# Altium PCB R2C2_Mini.PcbDoc (part 2 of 3)
Units mm, origin at the board's own origin, x right, y up, seen from the top; angles counter-clockwise.
Board outline 100 x 100 mm, 4 copper layers (Top Layer, Mid-Layer 1, Mid-Layer 2, Bottom Layer), stack 1.572 mm thick; 230 components, 186 nets, 773 pads, 549 vias.
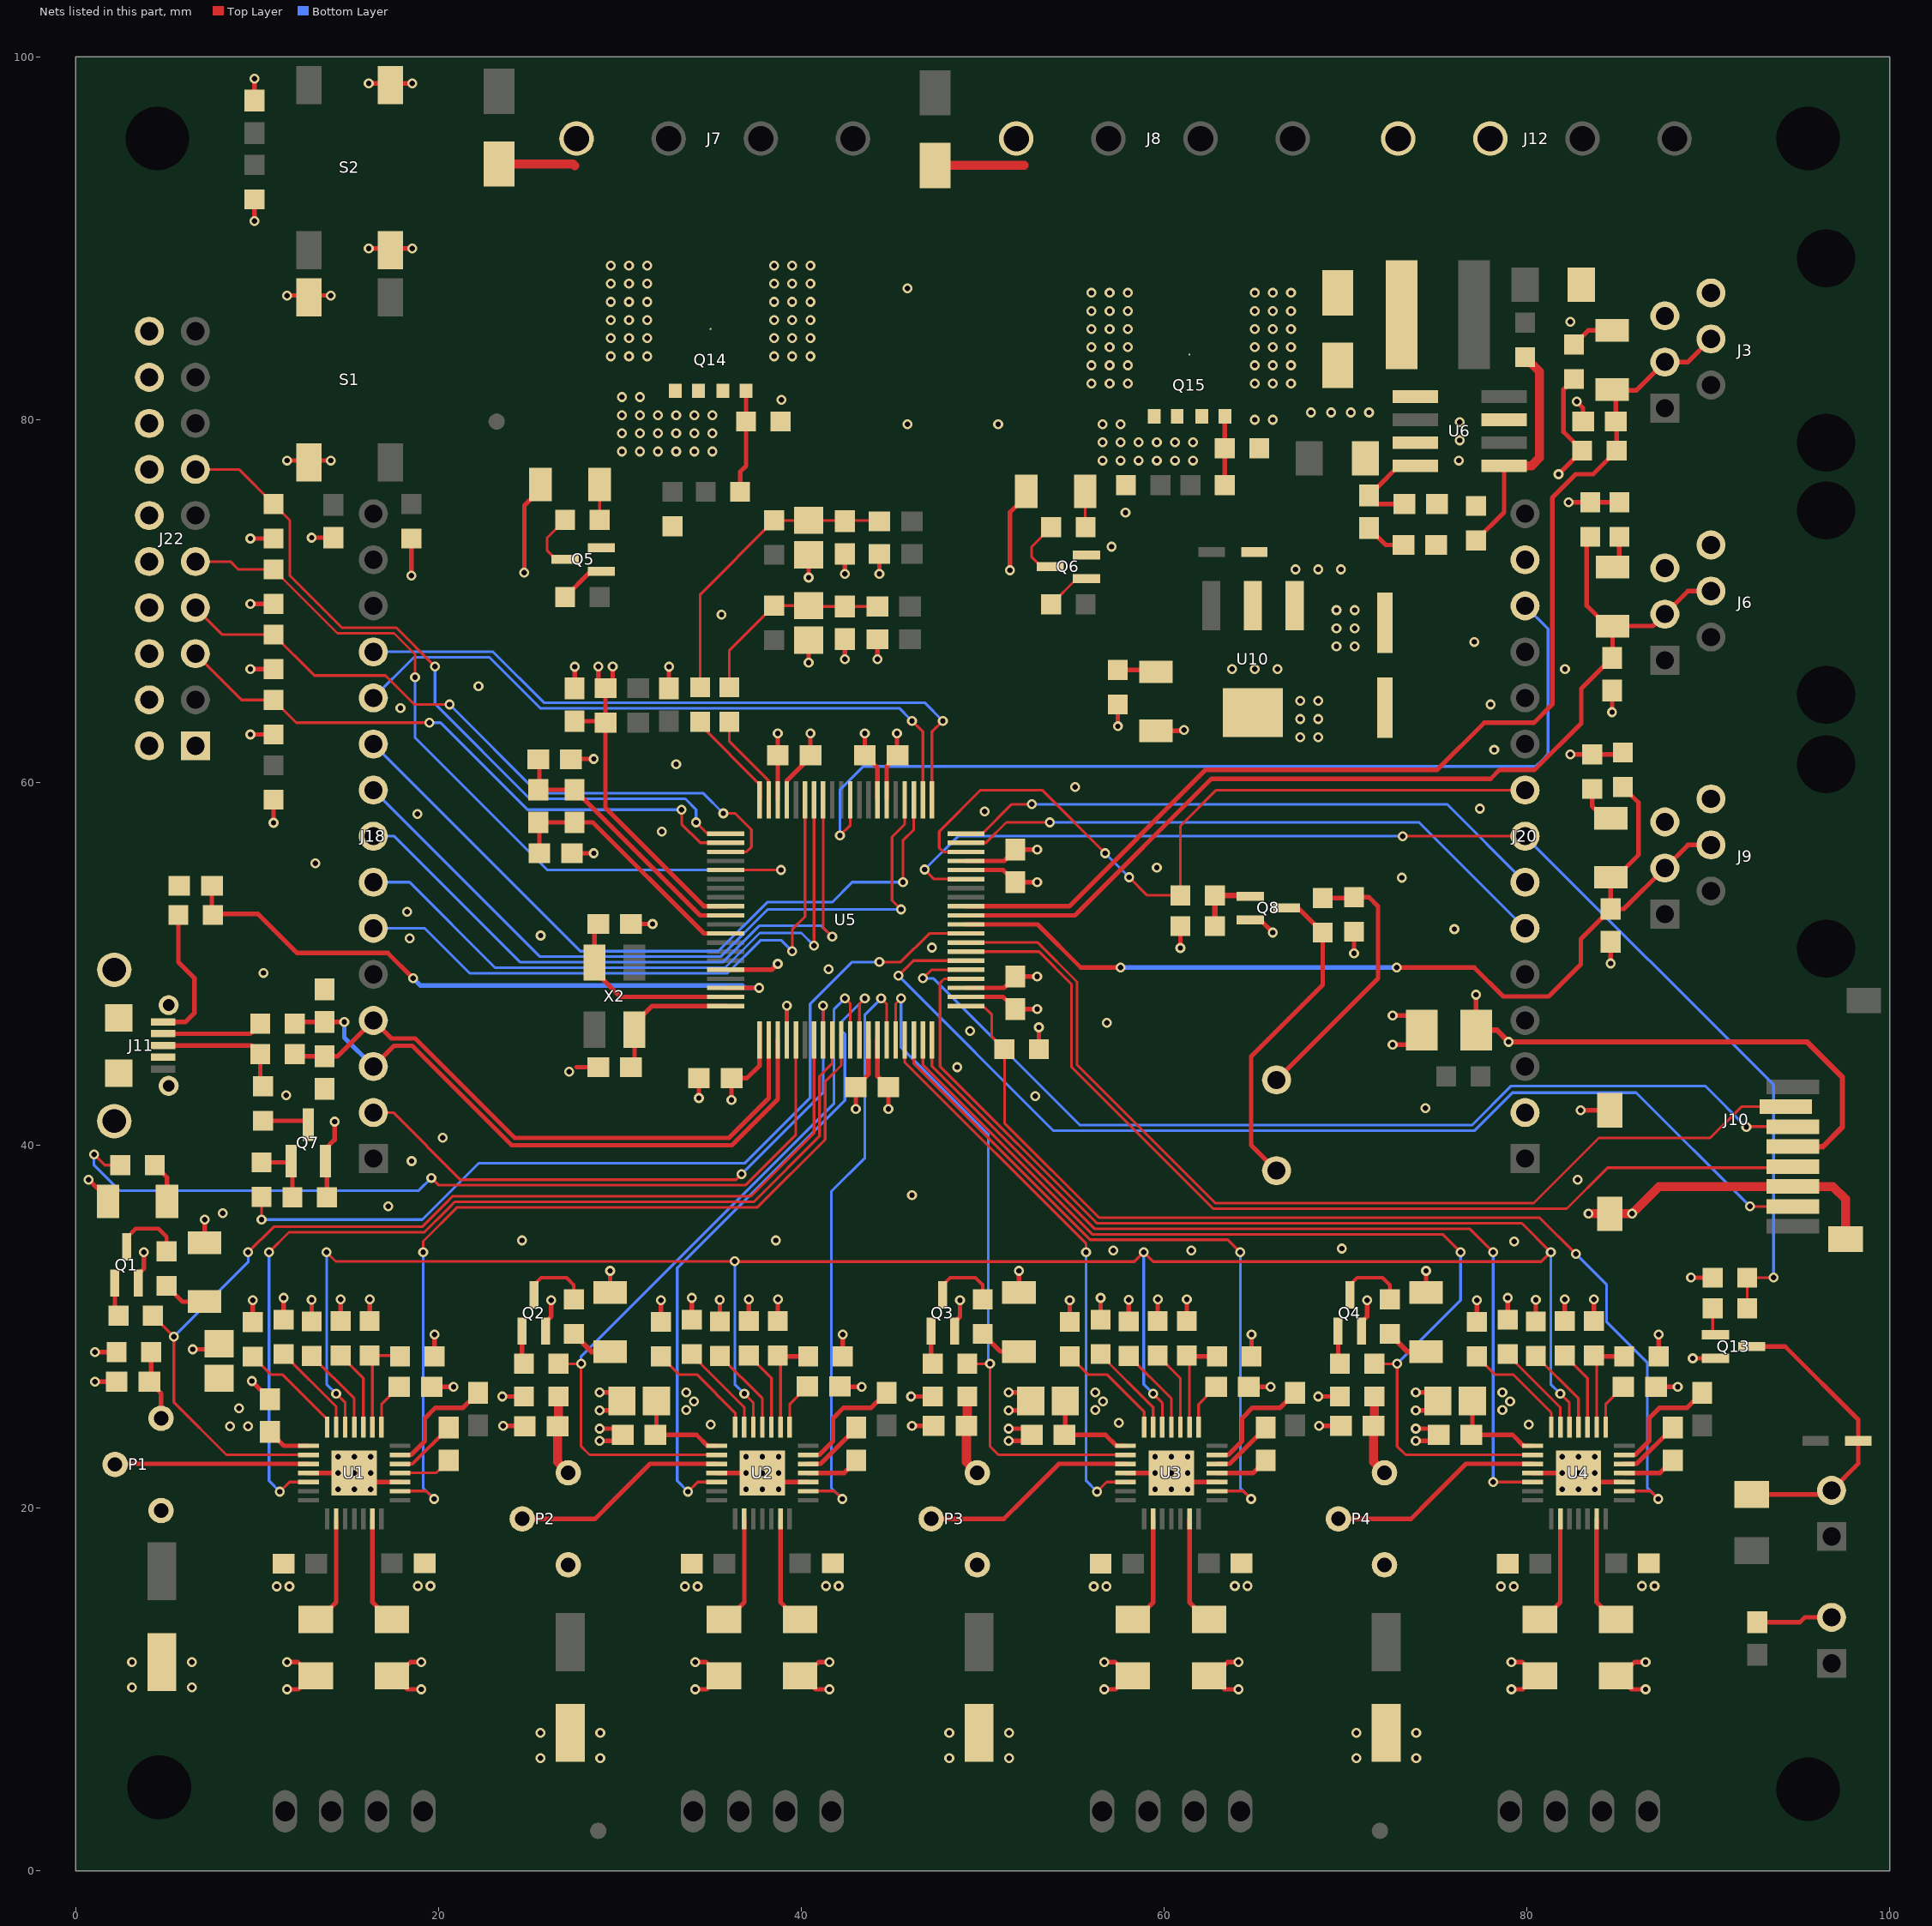
[diagram p4: the nets of this part, all layers, seen from the top]

## Via types
v1: diameter 0.55, hole 0.3, Top Layer to Bottom Layer, tented top, 513 vias
v2: diameter 0.55, hole 0.3, Top Layer to Bottom Layer, 36 vias

## Nets (pads, with @x,y where several pads share a name; then routed paths per layer and width w, separated by ;. In a path a pad name is that pad's centre, name@x,y a point inside that pad or via, vN(x,y) a via of type N, cw(c..) or ccw(c..) an arc to the next point about the centre after c; other vN are vias at no path point) (continued)
EXP_IO5_P1.14: J20.13 U5.70 | length 53.5
  Top Layer w0.15: v1(42.125,57.075) 42.7,57.65 U5.70@42.7,59.05
  Bottom Layer w0.15: v1(42.125,57.075) 42.125,59.594 43.417,60.886 63.4,60.886 ; 63.6,60.886 63.4,60.886 ; J20.13@79.9,69.74 81.17,68.47 81.17,61.57 80.829,61.229 80.486,60.886 63.4,60.886
EXP_IO6_P1.1: J18.6 U5.75 | length 33.8
  Top Layer w0.15: v1(39.5,50.7) 39.5,51.9 40.2,52.6 40.2,56.5 U5.75@40.2,59.05
  Bottom Layer w0.15: J18.6@16.4,51.96 19.24,51.96 21.719,49.481 35.921,49.481 37.735,51.295 38.905,51.295 v1(39.5,50.7)
EXP_IO7_P1.4: J18.7 U5.74 | length 35.4
  Top Layer w0.15: v1(40.7,51) 40.7,56.5 U5.74@40.7,59.05
  Bottom Layer w0.15: J18.7@16.4,54.5 18.4,54.5 23.114,49.786 35.795,49.786 37.709,51.7 40,51.7 v1(40.7,51)
EXP_IO8_P1.8: J18.8 U5.73 | length 37
  Top Layer w0.15: U5.73@41.2,59.05 41.2,57.2 41.2,52 v1(41.7,51.5)
  Bottom Layer w0.15: J18.8@16.4,57.04 17.56,57.04 24.51,50.09 35.668,50.09 37.678,52.1 41.1,52.1 v1(41.7,51.5)
EXP_MISO1_P0.8: J18.11 U5.62 | length 36.7
  Top Layer w0.15: v1@46,63.5 46.7,62.8 46.7,62.1 U5.62@46.7,59.05
  Bottom Layer w0.15: J18.11@16.4,64.66 18.644,66.904 22.796,66.904 25.605,64.095 45.405,64.095 v1@46,63.5
  other v1: 46.1,63.4
EXP_MOSI1_P0.9: J18.12 U5.61 | length 37.6
  Top Layer w0.15: U5.61@47.2,59.05 47.2,60.5 47.2,62.8 v1(47.8,63.4)
  Bottom Layer w0.15: J18.12@16.4,67.2 16.408,67.208 22.992,67.208 25.8,64.4 46.8,64.4 v1(47.8,63.4)
EXP_PWM1_RXD1_P2.5: J20.6 U5.59 | length 33.7
  Top Layer w0.15: U5.59@49.075,56.675 50.175,56.675 51.3,57.8 v1(53.7,57.8)
  Bottom Layer w0.15: v1(53.7,57.8) 74.06,57.8 J20.6@79.9,51.96
EXP_PWM2_TXD1_P2.4: J20.7 U5.60 | length 33.3
  Top Layer w0.15: U5.60@49.075,57.175 49.975,57.175 51.6,58.8 v1(52.7,58.8)
  Bottom Layer w0.15: v1(52.7,58.8) 75.6,58.8 J20.7@79.9,54.5
EXP_PWM3_FAN_P2.3: J20.8 R11.1 R33.2 U5.55 | length 69.5
  Top Layer w0.15: v1(46.8,55.2) 47.325,54.675 U5.55@49.075,54.675 ; v1(73.16,57.04) J20.8@79.9,57.04 ; R11.1@92.15,31 R33.2@92.15,32.7 v1(93.6,32.7)
  Bottom Layer w0.15: v1(46.8,55.2) 48.64,57.04 v1(73.16,57.04) ; J20.8@79.9,57.04 93.6,43.34 v1(93.6,32.7)
EXP_PWM4_BUZZER_P2.2: J20.9 R99.1 U5.58 | length 42.7
  Top Layer w0.15: U5.58@49.075,56.175 47.825,56.175 47.6,56.4 47.6,57.3 49.88,59.58 53.27,59.58 v1(56.75,56.1) ; v1(58.075,54.775) 59.075,53.775 60.775,53.775 R99.1@60.838,53.838 ; R99.1@60.9,53.775 60.9,57.6 62.88,59.58 J20.9@79.9,59.58
  Bottom Layer w0.15: v1(56.75,56.1) v1(58.075,54.775)
EXP_SCK1_P0.7: J18.10 U5.63 | length 40.3
  Top Layer w0.15: v1(45.6,54.5) 45.6,56.8 46.2,57.4 U5.63@46.2,59.05
  Bottom Layer w0.15: J18.10@16.4,62.12 27.82,50.7 35.416,50.7 38.116,53.4 41.7,53.4 42.8,54.5 v1(45.6,54.5)
EXP_SSEL1_P0.6: J18.9 U5.64 | length 40.5
  Top Layer w0.15: v1(45.5,53) 45,53.5 45,57 45.7,57.7 U5.64@45.7,59.05
  Bottom Layer w0.15: J18.9@16.4,59.58 25.585,50.395 35.542,50.395 38.147,53 v1(45.5,53)
GND: C3.1 C4.1 C5.1 C6.1 C15.1 C16.1 C17.1 C18.2 C21.1 C22.1 C23.1 C24.1 C33.1 C34.1 C35.1 C36.1 C42.1 C43.1 C44.1 C45.2 C46.2 C47.2 C48.2 C55.2 C56.2 C57.2 C58.2 C59.1 C60.1 C68.1 C70.1 D13.1 J10.6 J10.9@84.575,36.225 J10.9@84.575,41.925 J10.9@97.575,34.825 J11.4 J11.5@2.114,41.325 J11.5@2.114,49.675 J11.5@2.368,43.976 J11.5@2.368,47.024 J11.5@5.114,43.275 J11.5@5.114,47.725 J20.14 J22.4 J22.6 J22.8 J22.10 J22.12 J22.14 J22.16 J22.18 J22.20 L6.1 L8.1 P1.3 P2.3 P3.3 P4.3 Q1.2 Q2.2 Q3.2 Q4.2 Q5.2 Q6.2 Q8.2 Q13.2 R26.1 R27.1 R28.1 R29.1 R33.1 R55.1 R56.1 R57.1 R58.1 R83.1 R94.1 R100.1 R105.1 S1.1 S1.2 S2.1 S2.2 U5.24 U5.33 U5.43 U5.57 U5.66 U5.78 U10.1 | length 117.6
  Top Layer w0.25: v1(1.05,26.958) C17.1@2.25,26.958 ; Q1.2@3.45,32.4 3.45,32.9 3.746,33.196 v1(3.746,34.1) ; v1(6.45,28.75) C4.1@7.9,28.75 ; v1(9.625,69.85) R83.1@10.9,69.85 ; v1(9.7,27) C3.1@10.7,26 ; C60.1@9.85,97.6 v1(9.85,98.8) ; R26.1@11.45,30.383 v1(11.45,31.583) ; v1(11.65,77.75) v1(14.05,77.75) ; v1(11.65,86.85) v1(14.05,86.85) ; v1(13,73.5) C59.1@14.2,73.5 ; v1(16.15,89.45) v1(18.55,89.45) ; v1(16.15,98.55) v1(18.55,98.55) ; C15.1@19.625,26.683 v1(20.825,26.683) ; R28.1@19.775,28.358 v1(19.775,29.558) ; v1(23.555,24.533) C18.2@24.755,24.533 ; Q2.2@25.904,29.75 25.904,30.25 26.2,30.546 v1(26.2,31.45) ; L6.1@27.355,56.1 v1(28.555,56.1) ; L8.1@27.5,65.18 v1(27.5,66.38) ; 27.6,44.3 C56.2@28.8,44.3 ; v1(28.885,23.7) 29.822,23.7 C5.1@30.155,24.033 29.813,24.375 v1(28.885,24.375) ; v1(28.885,25.375) 29.58,25.375 C6.1@30.105,25.9 29.63,26.375 v1(28.885,26.375) ; C55.2@30.6,52.2 v1(31.8,52.2) ; R27.1@33.955,30.383 v1(33.955,31.583) ; v1@34.35,42.5 C46.2@34.35,43.7 ; U5.78@38.7,59.05 38.7,61.1 C45.2@39,61.4 ; C45.2@38.7,61.5 v1(38.7,62.7) ; U5.24@39.2,45.8 v1(39.2,47.7) ; C16.1@42.13,26.683 v1(43.33,26.683) ; R29.1@42.28,28.358 v1(42.28,29.558) ; v1(43,42) C44.1@43,43.2 43.7,43.9 U5.33@43.7,45.8 ; U5.66@44.7,59.05 44.7,60.9 C48.2@45.3,61.5 ; C48.2@45.275,61.5 v1(45.275,62.7) ; v1(46.1,24.533) C35.1@47.3,24.533 ; Q3.2@48.449,29.75 48.449,30.25 48.745,30.546 v1(48.745,31.45) ; U5.43@49.075,48.675 51.175,48.675 C47.2@51.8,49.3 v1(53,49.3) ; U5.57@49.075,55.675 51.175,55.675 C43.1@51.8,56.3 v1(53,56.3) ; v1(51.43,23.7) 52.367,23.7 C21.1@52.7,24.033 52.358,24.375 v1(51.43,24.375) ; v1(51.43,25.375) 52.125,25.375 C22.1@52.65,25.9 52.175,26.375 v1(51.43,26.375) ; R55.1@56.5,30.383 v1(56.5,31.583) ; D13.1@59.55,62.85 61.05,62.85 v1(61.1,62.9) ; v1(60.9,50.875) R100.1@60.9,52.075 ; C33.1@64.675,26.683 v1(65.875,26.683) ; Q8.2@64.75,52.425 65.3,52.425 v1(66,51.725) ; R56.1@64.825,28.358 v1(64.825,29.558) ; v1(68.545,24.533) C36.1@69.745,24.533 ; Q4.2@70.894,29.75 70.894,30.25 71.19,30.546 v1(71.19,31.45) ; v1(72.602,45.548) 73.402,45.548 C57.2@74.202,46.348 73.402,47.148 v1(72.602,47.148) ; v1(73.875,23.7) 74.812,23.7 C23.1@75.145,24.033 74.803,24.375 v1(73.875,24.375) ; v1(73.875,25.375) 74.57,25.375 C24.1@75.095,25.9 74.62,26.375 v1(73.875,26.375) ; R57.1@78.945,30.383 v1(78.945,31.583) ; v1@82.967,41.925 J10.9@84.575,41.925 ; C34.1@87.12,26.683 v1(88.32,26.683) ; R58.1@87.27,28.358 v1(87.27,29.558) ; v1(89.05,32.7) R33.1@90.25,32.7 ; v1(89.15,28.25) Q13.2@90.4,28.25 Q13.2@90.9,28.25
  Top Layer w0.5: v1(83.4,36.225) v1(85.8,36.225) 87.3,37.725 92.575,37.725 J10.6@94.675,37.725 96.875,37.725 97.575,37.025 J10.9@97.575,34.825
  other v1: 35,24.6 80.1,24.6 57.5,24.7 57.2,34.2 61.5,34.2 69.8,34.3 79.3,34.7 24.6,34.75 38.6,34.75 8.1,36.25 17.227,36.627 46.1,37.25 82.8,38.1 18.511,39.123 20.227,40.411 82.965,41.927 74.414,42.049 34.35,42.6 52.9,42.7 11.6,42.75 27.2,44.05 48.6,44.3 49.3,46.3 56.85,46.75 10.35,49.5 41.5,49.7 47.2,50.9 18.4,51.4 25.627,51.561 76.003,51.917 18.261,52.877 73.1,54.75 59.6,55.3 13.2,55.55 32.3,57.3 18.827,58.261 50.1,58.4 77.408,58.558 55.1,59.75 33.1,61 78.2,61.8 17.9,64.1 78,64.3 22.2,65.3 63.75,66.25 65,66.25 66.25,66.25 82.1,66.25 69.5,67.5 70.5,67.5 77.1,67.75 69.5,68.5 70.5,68.5 35.6,69.25 69.5,69.5 70.5,69.5 67.25,71.75 68.5,71.75 69.75,71.75 57.1,73 57.875,74.875
GND_A: C37.1 C38.1 C39.1 C40.1 C53.1 C54.1 L3.1 L4.1 L8.2 U5.9 | length 26.8
  Top Layer w0.25: L8.2@27.5,63.38 29.12,63.38 C54.1@29.2,63.3 ; v1(28.8,66.4) 28.8,65.6 C53.1@29.2,65.2 ; v1(29.6,66.4) 29.6,65.6 C53.1@29.2,65.2 ; U5.9@35.825,53.175 34.625,53.175 29.2,58.6 C54.1@29.2,63.3 ; v1(40.4,66.6) C40.1@40.4,67.85 ; v1(40.4,71.3) C38.1@40.4,72.55 ; v1(42.4,66.8) C39.1@42.4,67.9 ; v1(42.4,71.5) C37.1@42.4,72.6 ; v1(44.2,66.8) L4.1@44.2,67.9 ; v1(44.3,71.5) L3.1@44.3,72.6 ; C54.1@29.2,63.3 C53.1@29.2,65.2
HEAT_BED: D16.2 J7.4 Q14.D | length 4.2
  Top Layer w0.5: D16.2@23.325,94.1 27.4,94.1 27.5,94
  other v1: 29.5,83.5 30.5,83.5 31.5,83.5 38.5,83.5 39.5,83.5 40.5,83.5 29.5,84.5 30.5,84.5 31.5,84.5 38.5,84.5 39.5,84.5 40.5,84.5 29.5,85.5 30.5,85.5 31.5,85.5 38.5,85.5 39.5,85.5 40.5,85.5 29.5,86.5 30.5,86.5 31.5,86.5 38.5,86.5 39.5,86.5 40.5,86.5 29.5,87.5 30.5,87.5 31.5,87.5 38.5,87.5 39.5,87.5 40.5,87.5 29.5,88.5 30.5,88.5 31.5,88.5 38.5,88.5 39.5,88.5 40.5,88.5
HEAT_EXT: D15.2 J8.4 Q15.D | length 4.9
  Top Layer w0.5: D15.2@47.375,94.025 52.275,94.025
  other v1: 56,82 57,82 58,82 65,82 66,82 67,82 56,83 57,83 58,83 65,83 66,83 67,83 56,84 57,84 58,84 65,84 66,84 67,84 56,85 57,85 58,85 65,85 66,85 67,85 56,86 57,86 58,86 65,86 66,86 67,86 56,87 57,87 58,87 65,87 66,87 67,87
ME_DIR: U4.19 U5.40 | length 52.3
  Top Layer w0.15: U5.40@47.2,44.8 U5.40@47.2,45.6 ; U5.40@47.2,45.8 U5.40@47.2,45.6 ; v1(78.145,21.433) U4.19@80.32,21.433 ; v1(78.145,34.1) 76.85,35.395 56.167,35.395 47.2,44.362 U5.40@47.2,45.6
  Bottom Layer w0.15: v1(78.145,21.433) v1(78.145,34.1)
ME_EN: R115.2 U4.2 U5.41 | length 59.8
  Top Layer w0.15: U5.41@49.075,47.675 50.025,47.675 50.5,47.2 50.5,46 R115.2@51.2,45.3 51.2,41.224 56.419,36.005 80.695,36.005 v1(82.7,34) ; U4.2@85.37,20.933 86.812,20.933 v1(87.245,20.5)
  Bottom Layer w0.15: v1(82.7,34) 84.4,32.3 84.4,30.245 86.645,28 86.645,21.1 v1(87.245,20.5)
ME_STEP: R54.2 U4.16 U5.39 | length 57.4
  Top Layer w0.15: U5.39@46.7,44.8 U5.39@46.7,45.8 46.7,44.431 56.041,35.09 75.355,35.09 v1(76.345,34.1) ; R54.2@71.594,27.95 v1(72.845,27.95) 72.845,23.4 73.312,22.933 U4.16@80.32,22.933
  Bottom Layer w0.15: v1(72.845,27.95) 76.345,31.45 v1(76.345,34.1)
MN_RST: U1.12 U2.12 U3.12 U4.12 U5.44 | length 153.1
  Top Layer w0.15: v1(13.825,34.1) 14.329,33.596 36.334,33.596 36.351,33.579 58.354,33.579 v1(58.875,34.1) 59.396,33.579 80.799,33.579 v1(81.32,34.1) 79.72,35.7 56.293,35.7 47.65,44.343 47.65,45.7 ; v1(14.35,26.3) 14.85,25.8 U1.12@14.85,24.458 ; v1(36.855,26.3) 37.355,25.8 U2.12@37.355,24.458 ; 47.65,44.781 47.65,45.7 ; U5.44@49.075,49.175 47.875,49.175 47.65,48.95 47.65,45.7 ; v1(59.4,26.3) 59.9,25.8 U3.12@59.9,24.458 ; v1(81.845,26.3) 82.345,25.8 U4.12@82.345,24.458
  Bottom Layer w0.15: v1(13.825,34.1) 13.825,26.825 v1(14.35,26.3) ; v1(36.33,33.6) 36.33,26.825 v1(36.855,26.3) ; v1(58.875,34.1) 58.875,26.825 v1(59.4,26.3) ; v1(81.32,34.1) 81.32,26.825 v1(81.845,26.3)
MX_DIR: U1.19 U5.29 | length 54.1
  Top Layer w0.15: v1(10.65,34.1) 11.75,35.2 19.214,35.2 20.507,36.493 ; v1(11.25,20.9) 11.783,21.433 U1.19@12.825,21.433 ; 20.71,36.695 20.507,36.493 ; U5.29@41.7,45.8 41.695,45.795 41.695,44.495 41.005,43.805 41.005,40.505 37.381,36.881 20.895,36.881 20.507,36.493
  Bottom Layer w0.15: v1(10.65,34.1) 10.65,21.5 v1(11.25,20.9)
MX_EN: U1.2 U5.30 | length 46.8
  Top Layer w0.15: U1.2@17.875,20.933 19.317,20.933 v1(19.75,20.5) ; v1(19.15,34.1) 19.15,34.705 21.021,36.576 37.576,36.576 41.31,40.31 41.31,43.505 42.2,44.395 U5.30@42.2,45.8
  Bottom Layer w0.15: v1(19.15,34.1) 19.15,21.1 v1(19.75,20.5)
MX_STEP: R24.2 U1.16 U5.27 | length 59.6
  Top Layer w0.15: R24.2@4.25,30.6 v1(5.4,29.45) 5.4,25.833 8.3,22.933 U1.16@12.825,22.933 ; v1(9.5,34.1) 10.905,35.505 19.088,35.505 20.342,36.758 ; 20.583,37 20.342,36.758 ; U5.27@40.7,45.8 40.7,40.669 37.217,37.186 20.769,37.186 20.342,36.758
  Bottom Layer w0.15: v1(5.4,29.45) 9.5,33.55 v1(9.5,34.1)
MY_DIR: U2.19 U5.32 | length 36.1
  Top Layer w0.15: v1(33.755,20.9) 34.288,21.433 U2.19@35.33,21.433 ; U5.32@43.2,45.8 43.2,47.8 v1(43.5,48.1)
  Bottom Layer w0.15: v1(33.755,20.9) 33.155,21.5 33.155,33.224 42.4,42.469 42.4,46.131 42.2,46.331 42.2,46.8 v1(43.5,48.1)
MY_EN: U2.2 U5.35 | length 33.5
  Top Layer w0.15: U2.2@40.38,20.933 41.822,20.933 v1(42.255,20.5) ; v1(44.4,48.1) 44.7,47.8 U5.35@44.7,45.8
  Bottom Layer w0.15: v1(42.255,20.5) 41.655,21.1 41.655,37.455 43.504,39.304 43.504,47.204 v1(44.4,48.1)
MY_STEP: R25.2 U2.16 U5.31 | length 42.1
  Top Layer w0.15: R25.2@26.604,27.95 v1(27.855,27.95) 27.855,23.4 28.322,22.933 U2.16@35.33,22.933 ; v1(42.4,48.1) 42.7,47.8 U5.31@42.7,45.8
  Bottom Layer w0.15: v1(27.855,27.95) 27.855,28.355 41.8,42.3 41.8,47.5 v1(42.4,48.1)
MZ_DIR: U3.19 U5.37 | length 31.2
  Top Layer w0.15: U5.37@45.7,45.8 45.7,44.569 55.7,34.569 v1(55.7,34.1) v1@55.8,34.1 ; v1(56.3,20.9) 56.833,21.433 U3.19@57.875,21.433
  Bottom Layer w0.15: v1(55.7,34.1) 55.7,21.5 v1(56.3,20.9)
MZ_EN: U3.2 U5.38 | length 39.5
  Top Layer w0.15: U5.38@46.2,45.8 46.2,44.5 55.914,34.786 63.514,34.786 v1(64.2,34.1) ; U3.2@62.925,20.933 64.367,20.933 v1(64.8,20.5)
  Bottom Layer w0.15: v1(64.2,34.1) 64.2,21.1 v1(64.8,20.5)
MZ_STEP: R53.2 U3.16 U5.36 | length 38.1
  Top Layer w0.15: U5.36@45.2,45.8 45.2,47.8 v1(45.5,48.1) ; R53.2@49.149,27.95 v1(50.4,27.95) 50.4,23.4 50.867,22.933 U3.16@57.875,22.933
  Bottom Layer w0.15: v1(45.5,48.1) 45.5,45.4 50.3,40.6 50.3,28.05 v1(50.4,27.95)
NetC1_1: C1.1 U1.5 | length 3.5
  Top Layer w0.2: U1.5@17.875,22.433 18.56,22.433 C1.1@20.554,24.427
NetC1_2: C1.2 U1.4 | length 3
  Top Layer w0.15: U1.4@17.875,21.933 19.86,21.933 C1.2@20.554,22.627
NetC2_1: C2.1 U2.4 | length 3
  Top Layer w0.25: U2.4@40.38,21.933 42.365,21.933 C2.1@43.059,22.627
NetC2_2: C2.2 U2.5 | length 3.5
  Top Layer w0.25: U2.5@40.38,22.433 41.065,22.433 C2.2@43.059,24.427
NetC13_1: C13.1 U1.6 | length 6.5
  Top Layer w0.25: U1.6@17.875,22.933 18.491,22.933 19.249,23.691 19.249,24.95 19.824,25.525 21.349,25.525 C13.1@22.174,26.35
NetC14_1: C14.1 U2.6 | length 6.5
  Top Layer w0.25: U2.6@40.38,22.933 40.996,22.933 41.754,23.691 41.754,24.95 42.329,25.525 43.854,25.525 C14.1@44.679,26.35
NetC15_2: C15.2 U1.8 | length 2.6
  Top Layer w0.15: U1.8@16.85,24.458 16.85,25.708 C15.2@17.825,26.683
NetC16_2: C16.2 U2.8 | length 2.6
  Top Layer w0.15: U2.8@39.355,24.458 39.355,25.708 C16.2@40.33,26.683
NetC17_2: C17.2 P1.1 R18.1 | length 4
  Top Layer w0.25: C17.2@4.05,26.958 C17.2@4.15,26.858 ; R18.1@4.15,28.6 C17.2@4.15,26.858 ; P1.1@4.7,24.94 4.7,26.308 C17.2@4.15,26.858
NetC18_1: C18.1 P2.1 R19.1 | length 4.5
  Top Layer w0.5: C18.1@26.555,24.533 C18.1@26.555,24.5 ; R19.1@26.604,26.15 26.604,24.549 C18.1@26.555,24.5 ; P2.1@27.155,21.94 26.555,22.54 C18.1@26.555,24.5
NetC19_1: C19.1 U3.5 | length 3.5
  Top Layer w0.25: U3.5@62.925,22.433 63.61,22.433 C19.1@65.604,24.427
NetC19_2: C19.2 U3.4 | length 3
  Top Layer w0.25: U3.4@62.925,21.933 64.91,21.933 C19.2@65.604,22.627
NetC20_1: C20.1 U4.4 | length 3
  Top Layer w0.25: U4.4@85.37,21.933 87.355,21.933 C20.1@88.049,22.627
NetC20_2: C20.2 U4.5 | length 3.5
  Top Layer w0.25: U4.5@85.37,22.433 86.055,22.433 C20.2@88.049,24.427
NetC30_1: C30.1 U3.6 | length 6.5
  Top Layer w0.25: U3.6@62.925,22.933 63.541,22.933 64.299,23.691 64.299,24.95 64.874,25.525 66.399,25.525 C30.1@67.224,26.35
NetC32_1: C32.1 U4.6 | length 6.5
  Top Layer w0.25: U4.6@85.37,22.933 85.986,22.933 86.744,23.691 86.744,24.95 87.319,25.525 88.844,25.525 C32.1@89.669,26.35
NetC33_2: C33.2 U3.8 | length 2.6
  Top Layer w0.15: U3.8@61.9,24.458 61.9,25.708 C33.2@62.875,26.683
NetC34_2: C34.2 U4.8 | length 2.6
  Top Layer w0.15: U4.8@84.345,24.458 84.345,25.708 C34.2@85.32,26.683
NetC35_2: C35.2 P3.1 R47.1 | length 4.4
  Top Layer w0.5: C35.2@49.1,24.533 49.1,22.54 P3.1@49.7,21.94 ; C35.2@49.149,24.582 R47.1@49.149,26.15
NetC36_2: C36.2 P4.1 R48.1 | length 4.5
  Top Layer w0.5: R48.1@71.594,26.15 71.594,24.582 C36.2@71.545,24.533 71.545,22.54 P4.1@72.145,21.94
NetC37_2: C37.2 C38.2 L1.1 R59.1 R96.1 | length 17
  Top Layer w0.15: R96.1@34.425,65.25 34.425,70.375 R59.1@38.5,74.45 ; R59.1@38.5,74.2 R59.1@38.5,74.45 ; L1.1@44.3,74.4 44.25,74.45 R59.1@38.5,74.45
NetC39_2: C39.2 C40.2 L2.1 R44.1 R60.1 | length 11.2
  Top Layer w0.15: R44.1@36.025,65.25 36.025,67.275 R60.1@38.5,69.75 C40.2@40.4,69.75 40.45,69.7 C39.2@42.4,69.7 L2.1@44.2,69.7
NetC41_1: C41.1 D20.2 J24.2 Q13.3 | length 16.5
  Top Layer w0.25: C41.1@92.4,20.75 96.58,20.75 J24.2@96.8,20.97 98.275,22.445 D20.2@98.275,23.7 98.275,24.866 94.241,28.9 Q13.3@92.4,28.9
NetC50_1: C50.1 C51.1 L6.2 U5.12 | length 14.5
  Top Layer w0.25: C51.1@25.5,57.8 C50.1@27.5,57.8 28.5,57.8 34.625,51.675 U5.12@35.825,51.675 ; L6.2@25.555,56.1 C51.1@25.555,57.745
NetC50_2: C50.2 C51.2 L5.2 U5.10 | length 14.8
  Top Layer w0.25: L5.2@25.555,61.3 25.555,59.655 25.61,59.6 C50.2@27.5,59.6 34.425,52.675 U5.10@35.825,52.675
NetC55_1: C55.1 U5.19 X2.3 | length 10.5
  Top Layer w0.25: C55.1@28.8,52.2 28.6,52 X2.3@28.6,50.069 28.6,49.6 30.025,48.175 U5.19@35.825,48.175
NetC56_1: C56.1 U5.20 X2.1 | length 7.9
  Top Layer w0.25: C56.1@30.6,44.3 30.8,44.5 X2.1@30.8,46.369 30.8,46.7 31.775,47.675 U5.20@35.825,47.675
NetC61_1: C61.1 R95.2 | length 2.5
  Top Layer w0.25: C61.1@71.3,74.025 72.225,73.1 R95.2@73.2,73.1 R95.2@73,73.1
NetC61_2: C61.2 C67.2 U6.4 | length 4.8
  Top Layer w0.25: C61.2@71.3,75.825 71.775,75.35 C67.2@73.15,75.35 ; C61.2@71.723,76.248 72.935,77.46 U6.4@73.85,77.46 ; C67.2@73.2,75.3 C67.2@73.15,75.35 ; C67.2@73.25,75.35 C67.2@73.15,75.35
NetC71_1: C71.1 D1.1 J3.3 J3.4 R64.1 U5.52 | length 63.2
  Top Layer w0.25: U5.52@49.075,53.175 54.775,53.175 62.3,60.7 75.051,60.7 77.651,63.3 80.4,63.3 81.4,64.3 81.4,75.7 82.7,77 83.65,77 R64.1@84.95,78.3 84.95,79.85 C71.1@84.9,79.9 84.9,81.325 84.6,81.625 86.05,81.625 J3.3@87.61,83.185 88.88,83.185 J3.4@90.15,84.455
NetC72_1: C72.1 D4.1 J6.3 J6.4 R97.1 U5.51 | length 56.1
  Top Layer w0.25: U5.51@49.075,52.675 53.4,52.675 ; 53.5,52.675 53.4,52.675 ; R97.1@83.5,73.55 83.3,73.35 83.3,69.752 D4.1@84.427,68.625 ; C72.1@84.7,66.875 83,65.175 83,63.269 80.426,60.695 78.495,60.695 78,60.2 62.6,60.2 55.075,52.675 53.4,52.675 ; C72.1@84.727,66.927 D4.1@84.727,68.625 86.95,68.625 J6.3@87.61,69.285 88.88,70.555 J6.4@90.15,70.555
NetC73_1: C73.1 D7.1 J9.3 J9.4 R104.1 U5.50 | length 55.7
  Top Layer w0.25: U5.50@49.075,52.175 53.025,52.175 55.4,49.8 v1(57.6,49.8) ; v1(72.823,49.8) 77.1,49.8 78.7,48.2 81.2,48.2 82.975,49.975 82.975,51.375 C73.1@84.625,53.025 ; C73.1@84.352,52.752 C73.1@84.625,53.025 ; C73.1@84.625,53.225 C73.1@84.625,53.025 ; D7.1@84.625,54.773 C73.1@84.625,53.025 ; D7.1@84.627,54.773 D7.1@84.627,54.775 ; D7.1@84.802,54.6 D7.1@84.627,54.775 ; R104.1@85.3,59.75 86.155,58.895 86.155,56 84.93,54.775 D7.1@84.627,54.775 ; J9.4@90.15,56.555 88.88,56.555 J9.3@87.61,55.285 85.35,53.025 C73.1@84.625,53.025
  Bottom Layer w0.25: v1(57.6,49.8) v1(72.823,49.8)
NetD1_2: D1.2 R13.1 | length 2.5
  Top Layer w0.25: R13.1@82.6,84.15 83.375,84.925 D1.2@84.7,84.925 ; D1.2@84.6,84.875 D1.2@84.7,84.875
NetD2_1: D2.1 R16.2 | length 2.5
  Top Layer w0.25: R16.2@5,32.25 5.875,31.375 D2.1@7.1,31.375
NetD3_1: D3.1 R17.2 | length 2.4
  Top Layer w0.3: R17.2@27.454,29.6 28.429,28.625 D3.1@29.454,28.625
NetD4_2: D4.2 R42.1 | length 1.8
  Top Layer w0.25: D4.2@84.727,71.875 85.1,72.248 R42.1@85.1,73.55
NetD5_1: D5.1 R46.2 | length 2.4
  Top Layer w0.25: R46.2@49.999,29.6 50.974,28.625 D5.1@51.999,28.625
NetD6_1: D6.1 R61.2 | length 2.4
  Top Layer w0.3: R61.2@72.444,29.6 73.419,28.625 D6.1@74.444,28.625
NetD7_2: D7.2 R45.1 | length 2.3
  Top Layer w0.25: R45.1@83.6,59.65 83.6,58.7 84.275,58.025 D7.2@84.627,58.025
NetD8_1: D8.1 R80.2 | length 2.3
  Top Layer w0.15: D8.1@55.65,76.05 55.65,73.825 R80.2@55.675,73.8
NetD9_1: D9.1 R81.2 | length 1.9
  Top Layer w0.15: R81.2@28.875,74.475 D9.1@28.875,76.425
NetD10_1: D10.1 R93.2 | length 2.3
  Top Layer w0.25: R93.2@4.35,38.9 5.025,38.225 D10.1@5.025,36.9
NetD12_1: D12.1 L13.1 U6.1
NetD13_2: D13.2 R98.1 | length 2.1
  Top Layer w0.25: R98.1@57.45,66.2 59.475,66.2 D13.2@59.55,66.275
NetJ11_1: J11.1 R89.1 | length 7.7
  Top Layer w0.25: J11.1@4.814,46.8 6.05,46.8 6.534,47.284 6.534,49.216 5.65,50.1 R89.1@5.65,52.7
NetJ11_2: J11.2 R90.1 | length 6.1
  Top Layer w0.25: J11.2@4.814,46.15 9.614,46.15 R90.1@10.164,46.7 R90.1@9.764,46.3
NetJ11_3: J11.3 R87.1 R91.1 | length 6.5
  Top Layer w0.25: J11.3@4.814,45.5 R91.1@9.689,45.5 ; R87.1@10.164,43.4 R91.1@10.164,45.025
NetJ23_6: 
NetLS1_1: LS1.1 R84.2 R85.1 | length 15.1
  Top Layer w0.25: LS1.1@66.2,43.6 71.8,49.2 71.8,53.175 71.3,53.675 R85.1@70.475,53.675 ; R84.2@68.75,53.625 R85.1@70.425,53.625
NetLS1_2: LS1.2 Q8.3 R84.1 | length 17.9
  Top Layer w0.25: LS1.2@66.2,38.6 64.8,40 64.8,44.9 68.75,48.85 R84.1@68.75,51.725 67.4,53.075 Q8.3@66.75,53.075
NetP1_2: P1.2 U1.17 | length 10.6
  Top Layer w0.25: P1.2@2.193,22.433 U1.17@12.825,22.433
NetP2_2: P2.2 U2.17 | length 12
  Top Layer w0.25: P2.2@24.61,19.4 28.622,19.4 29.695,20.473 31.655,22.433 U2.17@35.33,22.433
NetP3_2: P3.2 U3.17 | length 12
  Top Layer w0.25: P3.2@47.16,19.4 51.167,19.4 52.24,20.473 54.2,22.433 U3.17@57.875,22.433
NetP4_2: P4.2 U4.17 | length 12
  Top Layer w0.25: P4.2@69.61,19.4 73.612,19.4 74.685,20.473 76.645,22.433 U4.17@80.32,22.433
NetQ1_1: Q1.1 R24.1 | length 1.9
  Top Layer w0.2: R24.1@2.15,31.083 ccw(c2.833,31.083) R24.1@2.35,30.6
  Top Layer w0.25: R24.1@2.15,31.083 Q1.1@2.15,32.4
NetQ1_3: Q1.3 R16.1 | length 3.9
  Top Layer w0.2: Q1.3@2.8,34.4 2.8,34.9 3.3,35.4 4.55,35.4 5,34.95 R16.1@5,34.15
NetQ2_1: Q2.1 R25.1 | length 1.7
  Top Layer w0.25: R25.1@24.604,28.05 Q2.1@24.604,29.75
NetQ2_3: Q2.3 R17.1 | length 3.9
  Top Layer w0.2: Q2.3@25.254,31.75 25.254,32.299 25.655,32.7 27.055,32.7 27.454,32.301 R17.1@27.454,31.5
NetQ3_1: Q3.1 R53.1 | length 1.7
  Top Layer w0.25: R53.1@47.149,28.05 Q3.1@47.149,29.75
NetQ3_3: Q3.3 R46.1 | length 3.9
  Top Layer w0.2: Q3.3@47.799,31.75 47.799,32.299 48.2,32.7 49.6,32.7 49.999,32.301 R46.1@49.999,31.5
NetQ4_1: Q4.1 R54.1 | length 1.8
  Top Layer w0.15: Q4.1@69.65,30.4 Q4.1@69.75,30.3
  Top Layer w0.25: R54.1@69.594,28.05 Q4.1@69.594,29.75
NetQ4_3: Q4.3 R61.1 | length 3.9
  Top Layer w0.2: Q4.3@70.244,31.75 70.244,32.299 70.645,32.7 72.045,32.7 72.444,32.301 R61.1@72.444,31.5
NetQ5_1: Q5.1 R92.1 | length 2.6
  Top Layer w0.25: R92.1@26.975,70.225 28.4,71.65 Q5.1@28.975,71.65
NetQ5_3: Q5.3 R81.1 | length 3.3
  Top Layer w0.15: Q5.3@26.975,72.3 26.475,72.3 25.975,72.8 25.975,73.475 R81.1@26.975,74.475
NetQ6_1: Q6.1 R82.1 | length 2.5
  Top Layer w0.15: R82.1@53.775,69.825 55.2,71.25 Q6.1@55.725,71.25
NetQ6_3: Q6.3 R80.1 | length 3.3
  Top Layer w0.15: Q6.3@53.725,71.9 53.225,71.9 52.7,72.425 52.7,73 R80.1@53.775,74.075
NetQ7_1: Q7.1 R15.1 R76.1 | length 3.6
  Top Layer w0.25: R76.1@10.239,39.05 11.939,39.05 R15.1@11.939,37.125
NetQ7_3: Q7.3 R87.2 | length 2.8
  Top Layer w0.25: R87.2@10.314,41.35 Q7.3@12.589,41.35 ; Q7.3@12.814,41.125 Q7.3@12.814,41.625
NetQ8_1: Q8.1 R99.2 R100.2 | length 3.6
  Top Layer w0.3: R100.2@62.8,52.075 R99.2@62.8,53.775 Q8.1@64.7,53.775
NetQ13_1: Q13.1 R11.2 | length 1.5
  Top Layer w0.15: R11.2@90.25,31 90.25,29.7 Q13.1@90.4,29.55
NetQ14_G: Q14.G R10.2 R14.2 | length 5.7
  Top Layer w0.25: R10.2@36.625,76.025 36.625,77.125 36.95,77.45 R14.2@36.95,79.9 Q14.G@36.95,81.595
NetQ15_G: Q15.G R5.2 R88.2 | length 3.8
  Top Layer w0.25: R88.2@63.35,76.4 Q15.G@63.35,80.195
NetR1_1: R1.1 R28.2 U1.9 | length 5.7
  Top Layer w0.15: U1.9@16.35,24.458 16.35,28.258 R1.1@16.2,28.408 17.825,28.408 R28.2@17.875,28.358
NetR2_1: R2.1 U1.10 | length 4.5
  Top Layer w0.15: R2.1@14.6,28.408 15.85,27.158 U1.10@15.85,24.458
NetR3_1: R3.1 U1.11 | length 4.9
  Top Layer w0.15: R3.1@13,28.383 15.35,26.033 U1.11@15.35,24.458
NetR6_1: R6.1 U1.14 | length 6
  Top Layer w0.15: R6.1@9.75,28.35 10.742,27.358 11.392,27.358 13.85,24.9 U1.14@13.85,24.458
NetR7_1: R7.1 R29.2 U2.9 | length 5.4
  Top Layer w0.15: U2.9@38.855,24.458 R7.1@38.855,28.258
  Top Layer w0.25: R7.1@38.755,28.358 R29.2@40.38,28.358
NetR8_1: R8.1 U2.10 | length 4.5
  Top Layer w0.15: R8.1@37.105,28.408 38.355,27.158 U2.10@38.355,24.458
NetR9_1: R9.1 U2.11 | length 4.9
  Top Layer w0.15: R9.1@35.505,28.383 37.855,26.033 U2.11@37.855,24.458
NetR12_1: R12.1 U2.14 | length 6.2
  Top Layer w0.15: R12.1@32.255,28.358 33.255,27.358 34.242,27.358 36.355,25.245 U2.14@36.355,24.458
NetR20_2: R20.2 U1.27 | length 6.1
  Top Layer w0.25: U1.27@16.351,19.408 16.351,14.799 17.3,13.85 R20.2@17.425,13.85
NetR21_2: R21.2 U1.23 | length 6.1
  Top Layer w0.25: R21.2@13.225,13.85 13.4,13.85 14.351,14.801 U1.23@14.351,19.408
NetR22_2: R22.2 U2.27 | length 6.1
  Top Layer w0.25: U2.27@38.856,19.408 38.856,14.799 39.805,13.85 R22.2@39.93,13.85
NetR23_2: R23.2 U2.23 | length 6.1
  Top Layer w0.25: R23.2@35.73,13.85 35.905,13.85 36.856,14.801 U2.23@36.856,19.408
NetR26_2: R26.2 U1.13 | length 5.2
  Top Layer w0.15: R26.2@11.45,28.483 14.35,25.583 U1.13@14.35,24.458
NetR27_2: R27.2 U2.13 | length 5.2
  Top Layer w0.15: R27.2@33.955,28.441 36.855,25.541 U2.13@36.855,24.458
NetR30_1: R30.1 R56.2 U3.9 | length 5.6
  Top Layer w0.15: U3.9@61.4,24.458 R30.1@61.4,28.258
  Top Layer w0.25: R30.1@61.4,28.258 61.3,28.358 R56.2@62.925,28.358
NetR31_1: R31.1 U3.10 | length 4.5
  Top Layer w0.15: R31.1@59.65,28.408 60.9,27.158 U3.10@60.9,24.458
NetR32_1: R32.1 U3.11 | length 4.9
  Top Layer w0.15: R32.1@58.05,28.383 60.4,26.033 U3.11@60.4,24.458
NetR35_1: R35.1 U3.14 | length 6.2
  Top Layer w0.15: R35.1@54.8,28.358 55.8,27.358 56.842,27.358 58.9,25.3 U3.14@58.9,24.458
NetR36_1: R36.1 R58.2 U4.9 | length 5.4
  Top Layer w0.15: U4.9@83.845,24.458 R36.1@83.845,28.258
  Top Layer w0.25: R36.1@83.745,28.358 R58.2@85.37,28.358
NetR37_1: R37.1 U4.10 | length 4.5
  Top Layer w0.15: R37.1@82.095,28.408 83.345,27.158 U4.10@83.345,24.458
NetR38_1: R38.1 U4.11 | length 4.9
  Top Layer w0.15: R38.1@80.495,28.383 82.845,26.033 U4.11@82.845,24.458
NetR41_1: R41.1 U4.14 | length 6.2
  Top Layer w0.15: R41.1@77.245,28.358 78.245,27.358 79.242,27.358 81.345,25.255 U4.14@81.345,24.458
NetR49_2: R49.2 U3.27 | length 6.1
  Top Layer w0.25: U3.27@61.401,19.408 61.401,14.799 62.35,13.85 R49.2@62.475,13.85
NetR50_2: R50.2 U3.23 | length 6.1
  Top Layer w0.25: R50.2@58.275,13.85 58.45,13.85 59.401,14.801 U3.23@59.401,19.408
NetR51_2: R51.2 U4.27 | length 6.1
  Top Layer w0.25: U4.27@83.846,19.408 83.846,14.799 84.795,13.85 R51.2@84.92,13.85
NetR52_2: R52.2 U4.23 | length 6.1
  Top Layer w0.25: R52.2@80.72,13.85 80.895,13.85 81.846,14.801 U4.23@81.846,19.408
NetR55_2: R55.2 U3.13 | length 5.2
  Top Layer w0.15: R55.2@56.5,28.441 59.4,25.541 U3.13@59.4,24.458
NetR57_2: R57.2 U4.13 | length 5.2
  Top Layer w0.15: R57.2@78.945,28.441 81.845,25.541 U4.13@81.845,24.458
NetR101_1: R101.1 R102.2 U6.5 | length 12.4
  Top Layer w0.25: R102.2@77.2,73.35 78.75,74.9 U6.5@78.75,77.46
  Top Layer w0.5: U6.5@79.1,77.46 80.26,77.46 80.7,77.9 80.7,82.65 R101.1@79.9,83.45
RXD0: R96.2 U5.80 | length 5.7
  Top Layer w0.15: R96.2@34.425,63.175 U5.80@37.7,59.9
  Top Layer w0.25: R96.2@34.425,63.175 R96.2@34.425,63.35 ; U5.80@37.7,59.05 U5.80@37.7,59.9
SD_MISO0: J10.7 U5.46 | length 60.4
  Top Layer w0.15: v1(45.35,49.35) 46.175,50.175 U5.46@49.075,50.175 ; v1(92.3,36.625) J10.7@94.7,36.625
  Bottom Layer w0.15: v1(45.35,49.35) 53.9,40.8 77.1,40.8 79.2,42.9 86.025,42.9 v1(92.3,36.625)
SD_MOSI0: J10.3 U5.45 | length 55.8
  Top Layer w0.15: v1(46.7,49.2) 47.171,49.671 49.071,49.671 U5.45@49.075,49.675 ; v1@92.1,41.025 J10.3@94.7,41.025
  Bottom Layer w0.15: v1(46.7,49.2) 47.269,49.2 55.364,41.105 76.974,41.105 79.134,43.266 79.7,43.266 86.9,43.266 89.834,43.266 v1(92.1,41)
SD_SCK0: J10.5 U5.47 | length 55.2
  Top Layer w0.15: U5.47@49.075,50.675 53.1,50.675 54.895,48.88 54.895,44.31 62.705,36.5 82.2,36.5 84.456,38.756 J10.5@94.706,38.756 ; J10.5@94.606,38.756 J10.5@94.675,38.825
SD_SSEL0: J10.2 U5.48 | length 56.1
  Top Layer w0.15: U5.48@49.075,51.175 53,51.175 53.031,51.175 55.2,49.006 55.2,44.436 62.826,36.81 80.379,36.81 83.969,40.4 90.1,40.4 91.825,42.125 J10.2@94.3,42.125
STAR_GND: C7.2 C8.1 C9.1 C10.1 C11.2 C12.2 C25.1 C26.1 C27.2 C28.1 C29.1 C31.2 C49.1 C62.1 C63.1 C67.1 C71.2 C72.2 C73.2 D12.2 J3.5 J3.6 J6.5 J6.6 J9.5 J9.6 J12.3 J12.4 J21.2 Q14.S Q15.S R5.1 R14.1 R20.1 R21.1 R22.1 R23.1 R49.1 R50.1 R51.1 R52.1 R95.1 R102.1 U1.3 U1.18 U1.29 U2.3 U2.18 U2.29 U3.3 U3.18 U3.29 U4.3 U4.18 U4.29 U6.3 U6.7 | length 54.3
  Top Layer w0.25: v1(11.65,10) 12.275,10 R21.1@13.125,10.85 ; v1(11.65,11.5) 12.25,11.5 12.962,10.788 R21.1@13.225,10.75 ; U1.18@12.825,21.925 v2(14.45,21.925) v2(15.35,21.925) 15.85,21.425 U1.3@17.875,21.425 ; v1(19.05,10) 18.275,10 17.625,10.65 17.7,10.75 18.45,11.5 v1(19.05,11.5) ; v1(34.155,10) 34.78,10 R23.1@35.63,10.85 ; v1(34.155,11.5) 34.755,11.5 35.467,10.788 R23.1@35.73,10.75 ; U2.18@35.33,21.933 U2.29@36.745,21.933 ; U2.29@38.355,21.433 U2.3@40.38,21.433 ; v1(41.555,10) 40.78,10 40.13,10.65 40.205,10.75 40.955,11.5 v1(41.555,11.5) ; v1(56.7,10) 57.325,10 R50.1@58.175,10.85 ; v1(56.7,11.5) 57.3,11.5 58.012,10.788 R50.1@58.275,10.75 ; U3.18@57.875,21.933 59.29,21.933 60.4,21.933 60.9,21.433 U3.3@62.925,21.433 ; v1(64.1,10) 63.325,10 62.675,10.65 62.75,10.75 63.5,11.5 v1(64.1,11.5) ; v1(79.145,10) 79.77,10 R52.1@80.62,10.85 ; v1(79.145,11.5) 79.745,11.5 80.457,10.788 R52.1@80.72,10.75 ; U4.18@80.32,21.933 U4.29@81.735,21.933 ; v1(82.75,81) 83.1,80.65 C71.2@83.1,79.9 ; U4.29@83.345,21.433 U4.3@85.37,21.433 ; v1(84.625,50.025) C73.2@84.625,51.225 ; v1(84.7,63.875) C72.2@84.7,65.075 ; v1(86.545,10) 85.77,10 85.12,10.65 85.195,10.75 85.945,11.5 v1(86.545,11.5) ; C62.1@92.7,13.7 95.06,13.7 95.33,13.97 J21.2@96.8,13.97
  Bottom Layer w0.25: J6.5@87.385,71.6 J6.5@87.61,71.825
  other v1: 25.61,6.2 28.91,6.2 48.155,6.2 51.455,6.2 70.6,6.2 73.9,6.2 25.61,7.6 28.91,7.6 48.155,7.6 51.455,7.6 70.6,7.6 73.9,7.6 3.095,10.108 6.395,10.108 3.095,11.508 6.395,11.508 11.075,15.675 11.775,15.675 33.58,15.675 34.28,15.675 56.125,15.675 56.825,15.675 78.57,15.675 79.27,15.675 18.85,15.7 19.55,15.7 41.355,15.7 42.055,15.7 63.9,15.7 64.6,15.7 86.345,15.7 87.045,15.7 56.6,77.75 57.6,77.75 58.6,77.75 59.6,77.75 60.6,77.75 61.6,77.75 76.25,77.75 30.1,78.25 31.1,78.25 32.1,78.25 33.1,78.25 34.1,78.25 35.1,78.25 56.6,78.75 57.6,78.75 58.6,78.75 59.6,78.75 60.6,78.75 61.6,78.75 76.3,78.865 30.1,79.25 31.1,79.25 32.1,79.25 33.1,79.25 34.1,79.25 35.1,79.25 45.85,79.75 50.85,79.75 56.6,79.75 57.6,79.75 76.3,79.865 65,80 66,80 30.1,80.25 31.1,80.25 32.1,80.25 33.1,80.25 34.1,80.25 35.1,80.25 68.1,80.4 69.2,80.4 70.3,80.4 71.3,80.4 38.9,81.1 30.1,81.25 31.1,81.25 82.4,85.4 45.85,87.25
  other v2: 14.45,21.025 15.35,21.025 16.25,21.025 36.95,21.025 37.85,21.025 38.75,21.025 59.5,21.025 60.4,21.025 61.3,21.025 81.95,21.025 82.85,21.025 83.75,21.025 16.25,21.925 36.95,21.925 37.85,21.925 38.75,21.925 59.5,21.925 60.4,21.925 61.3,21.925 81.95,21.925 82.85,21.925 83.75,21.925 14.45,22.825 15.35,22.825 16.25,22.825 36.95,22.825 37.85,22.825 38.75,22.825 59.5,22.825 60.4,22.825 61.3,22.825 81.95,22.825 82.85,22.825 83.75,22.825
TCK: J22.9 R83.2 U5.5 | length 45.1
  Top Layer w0.15: J22.9@6.59,72.18 8.52,72.18 8.95,71.75 R83.2@10.9,71.75 14.421,68.229 17.54,68.229 18.7,67.069 v1(18.7,65.8) ; U5.5@35.825,55.175 v1(38.875,55.175)
  Bottom Layer w0.15: v1(18.7,65.8) 18.7,62.462 25.987,55.175 v1(38.875,55.175)
TDI: J22.5 R75.2 U5.2 | length 34.1
  Top Layer w0.15: J22.5@6.59,67.1 9.14,64.55 R75.2@10.9,64.55 12.15,63.3 v1(19.5,63.3) ; v1(33.4,58.5) 33.4,57.7 34.425,56.675 U5.2@35.825,56.675
  Bottom Layer w0.15: v1(19.5,63.3) 20.1,63.3 24.9,58.5 25.5,58.5 ; 25.4,58.5 25.5,58.5 ; v1(33.4,58.5) 25.5,58.5
TDO: J22.13 R86.2 U5.1 | length 41
  Top Layer w0.15: J22.13@6.59,77.26 8.99,77.26 R86.2@10.9,75.35 11.8,74.45 11.8,71.4 14.667,68.533 17.667,68.533 v1(19.8,66.4) ; v1(34.2,57.8) 34.825,57.175 U5.1@35.825,57.175
  Bottom Layer w0.15: v1(19.8,66.4) 19.8,64.331 25.031,59.1 33.6,59.1 34.2,58.5 v1(34.2,57.8)
TMS: J22.7 R77.2 U5.3 | length 38.2
  Top Layer w0.15: J22.7@6.59,69.64 8.08,68.15 R77.2@10.9,68.15 13.15,65.9 17.07,65.9 18.67,64.3 v1(20.6,64.3) ; v1(35.7,58.3) 36.35,58.3 37.25,57.4 37.25,56.45 36.975,56.175 U5.3@35.825,56.175
  Bottom Layer w0.15: v1(20.6,64.3) 25.495,59.405 34.595,59.405 v1(35.7,58.3)
TXD0: R44.2 U5.79 | length 5.2
  Top Layer w0.15: R44.2@36.025,63.35 36.025,62.275 38.2,60.1 U5.79@38.2,59.05
USB_CONNECT: R76.2 U5.49 | length 49.6
  Top Layer w0.15: v1(10.239,35.9) R76.2@10.239,37.15 ; v1(44.3,50.1) 45.475,50.1 47.05,51.675 U5.49@49.075,51.675
  Bottom Layer w0.15: v1(10.239,35.9) 19.1,35.9 22.2,39 36.869,39 40.484,42.616 40.484,47.784 42.8,50.1 v1(44.3,50.1)
USB_D_N: C42.2 J18.3 R90.2 U5.23 | length 35.3
  Top Layer w0.25: R90.2@12.164,46.8 C42.2@13.714,46.8 v1(14.8,46.8) ; J18.3@16.4,44.34 17.545,45.485 18.546,45.485 24.031,40 ; 23.913,40.118 24.033,39.998 36.167,39.998 38.7,42.531 U5.23@38.7,45.8
  Bottom Layer w0.25: v1(14.8,46.8) 14.8,45.94 J18.3@16.4,44.34
USB_D_P: C68.2 J18.4 R91.2 U5.22 | length 33.6
  Top Layer w0.25: R91.2@12.189,44.9 C68.2@13.714,44.9 14.42,44.9 J18.4@16.4,46.88 17.393,45.887 18.713,45.887 24.198,40.402 24.2,40.4 36,40.4 38.2,42.6 U5.22@38.2,45.8
USB_PWR: J18.2 U5.28 | length 35
  Top Layer w0.15: J18.2@16.4,41.8 17.5,41.8 21.2,38.1 36.4,38.1 v1(36.7,38.4) ; U5.28@41.2,45.8 v1(41.2,47.7)
  Bottom Layer w0.15: v1(36.7,38.4) 41.2,42.9 v1(41.2,47.7)
USB_UP_LED: R93.1 U5.25 | length 48.4
  Top Layer w0.15: v1(1,39.5) 1.6,38.9 R93.1@2.45,38.9 ; v1(19.6,38.2) 20.005,37.795 36.907,37.795 39.7,40.588 U5.25@39.7,45.8
  Bottom Layer w0.15: v1(1,39.5) 1,38.9 2.4,37.5 18.9,37.5 v1(19.6,38.2)
USB_VBUS: C70.2 R89.2 U5.18 | length 35.3
  Top Layer w0.25: C70.2@7.5,54.3 R89.2@7.5,52.75 ; R89.2@7.55,52.7 R89.2@7.5,52.75 ; v1(18.6,49.2) 17.2,50.6 12.2,50.6 10.05,52.75 R89.2@7.5,52.75 ; U5.18@35.825,48.675 v1(37.675,48.675)
  Bottom Layer w0.25: v1(18.6,49.2) 19,48.8 36.75,48.8 36.875,48.675 v1(37.675,48.675)
V3.3: C3.2 C4.2 C5.2 C6.2 C21.2 C22.2 C23.2 C24.2 C43.2 C44.2 C45.1 C46.1 C47.1 C48.1 C57.1 C58.1 D2.2 D3.2 D5.2 D6.2 D8.2 D9.2 D10.2 D19.2 J10.4 J20.2 J22.1 J22.2 L5.1 L7.1 Q7.2 R1.2 R2.2 R3.2 R6.2 R7.2 R8.2 R9.2 R12.2 R13.2 R15.2 R18.2 R19.2 R30.2 R31.2 R32.2 R35.2 R36.2 R37.2 R38.2 R41.2 R42.2 R45.2 R47.2 R48.2 R64.2 R72.1 R74.2 R75.1 R77.1 R85.2 R86.1 R97.2 R98.2 R103.2 R104.2 R115.1 U1.15 U2.15 U3.15 U4.15 U5.16 U5.21 U5.34 U5.42 U5.56 U5.67 U5.77 U10.2 | length 149.4
  Top Layer w0.25: v1(0.7,38.1) 1.775,37.025 D10.2@1.775,36.9 ; v1(1.05,28.6) R18.2@2.25,28.6 ; D2.2@7.1,34.625 v1(7.1,35.9) ; v1(9.625,62.65) R75.1@10.9,62.65 ; v1(9.625,66.25) R77.1@10.9,66.25 ; v1(9.625,73.45) R86.1@10.9,73.45 ; R6.2@9.75,30.25 v1(9.75,31.45) ; v1(9.85,90.95) R74.2@9.85,92.15 ; C3.2@10.7,24.2 11.467,23.433 U1.15@12.825,23.433 ; v1(10.9,57.775) R72.1@10.9,59.05 ; R3.2@13,30.283 v1(13,31.483) ; Q7.2@13.764,39.125 13.764,39.8 14.264,40.3 v1(14.264,41.3) ; R15.2@13.839,37.125 Q7.2@13.839,39.05 ; R2.2@14.6,30.308 v1(14.6,31.508) ; R1.2@16.2,30.308 v1(16.2,31.508) ; v1(18.5,71.4) R103.2@18.5,73.45 ; v1(23.504,26.15) R19.2@24.704,26.15 ; v1(24.725,71.575) 24.725,75.275 D9.2@25.625,76.175 ; D9.2@25.4,76.2 D9.2@25.625,76.425 D9.2@25.625,76.125 ; L5.1@27.355,61.3 v1(28.555,61.3) ; D3.2@29.454,31.875 v1(29.454,33.075) ; C5.2@31.955,24.033 34.222,24.033 34.822,23.433 U2.15@35.33,23.433 ; C5.2@32.005,24.083 C6.2@32.005,25.9 ; R12.2@32.255,30.258 v1(32.255,31.458) ; L7.1@32.7,65.18 v1(32.7,66.38) ; R9.2@35.505,30.283 v1(35.505,31.483) ; U5.16@35.825,49.675 38.375,49.675 v1(38.7,50) ; v1(36.15,42.5) C46.1@36.15,43.7 37,43.7 37.7,44.4 U5.21@37.7,45.8 ; R8.2@37.105,30.308 v1(37.105,31.508) ; U5.21@37.7,45 U5.21@37.7,45.8 ; U5.21@37.7,46.7 U5.21@37.7,45.8 ; R7.2@38.705,30.308 v1(38.705,31.508) ; U5.77@39.2,59.05 39.2,60.1 40.5,61.4 C45.1@40.5,61.5 v1(40.5,62.7) ; v1(43.5,62.7) C48.1@43.5,61.5 44.2,60.8 U5.67@44.2,59.05 ; U5.34@44.2,45.8 44.2,43.8 C44.2@44.8,43.2 v1(44.8,42) ; v1(46.049,26.15) R47.2@47.249,26.15 ; U5.42@49.075,48.175 51.125,48.175 C47.1@51.8,47.5 v1(53,47.5) ; U5.56@49.075,55.175 51.125,55.175 C43.2@51.8,54.5 v1(53,54.5) ; v1(51.5,71.7) 51.5,74.9 52.4,75.8 D8.2@52.4,76.05 ; D5.2@51.999,31.875 v1(51.999,33.075) ; R115.1@53.1,45.3 v1(53.1,46.5) ; C21.2@54.5,24.033 56.767,24.033 57.367,23.433 U3.15@57.875,23.433 ; C21.2@54.55,24.083 C22.2@54.55,25.9 ; R35.2@54.8,30.258 v1(54.8,31.458) ; v1(57.45,63.1) R98.2@57.45,64.3 ; R32.2@58.05,30.283 v1(58.05,31.483) ; R31.2@59.65,30.308 v1(59.65,31.508) ; R30.2@61.25,30.308 v1(61.25,31.508) ; v1(68.494,26.15) R48.2@69.694,26.15 ; v1(70.475,50.575) R85.2@70.475,51.775 ; D6.2@74.444,31.875 v1(74.444,33.075) ; C24.2@76.995,25.9 76.995,24.083 C23.2@76.945,24.033 79.212,24.033 79.812,23.433 U4.15@80.32,23.433 ; C57.1@77.202,46.348 v1(77.202,48.298) ; R41.2@77.245,30.258 v1(77.245,31.458) ; R38.2@80.495,30.283 v1(80.495,31.483) ; v1(81.75,77) R64.2@83.05,78.3 82.027,79.323 82.027,81.677 R13.2@82.6,82.25 ; R37.2@82.095,30.308 v1(82.095,31.508) ; v1(82.3,75.45) R97.2@83.5,75.45 R42.2@85.1,75.45 ; v1(82.4,61.55) R45.2@83.6,61.55 85.2,61.55 R104.2@85.3,61.65 ; R36.2@83.695,30.308 v1(83.695,31.508)
  Top Layer w0.3: C57.1@77.202,46.348 78.352,46.348 v1(79,45.7) 95.45,45.7 97.4,43.75 97.4,41 96.325,39.925 J10.4@94.675,39.925
  other v1: 8.5,24.5 9.5,24.5 33.66,25.4 56.205,25.4 78.65,25.4 9,25.5 34.085,25.875 56.63,25.875 79.075,25.875 33.66,26.375 56.205,26.375 78.65,26.375 67.5,62.5 68.5,62.5 67.5,63.5 68.5,63.5 67.5,64.5 68.5,64.5